# KiCad board 8851_HW-U1-VCU118_REV2-0_071417.kicad_pcb (continued)
## Routing (per net, layer and track width the routed paths; a pad name or vN(x,y) marks a point on that pad's centre or on a via; arc(x,y) is an arc through that point) (continued)
GPIO_SW_W: length 304.5
  TOP w0.15: v6(19.2,127.33) 18.8,127.73 ; 200.62,19.9 v3(200.62,27.15) 200.62,28.85 ; 138.52,63.33 v2(139.01,62.84) 139.52,62.33 147.16,62.33 147.68,62.85 151.2,62.85 151.72,62.33 151.72,58.12 v3(153.91,55.93)
  14_SIG4 w0.087: v6(19.2,127.33) 18.8,126.94 18.8,126.38 18.43,126.01 18.43,125.04 19.7,123.77 19.7,117.38 20.23,116.85 20.23,114.55 24.77,110 24.77,105.38 28.62,101.52 28.62,94.88 29.8,93.7 v3(33.9,93.7)
  20_SIG7 w0.087: v3(153.91,55.93) 154.42,56.45 157.3,56.45 159.15,54.6 169.18,54.6 170.51,53.27 176.34,53.27 179.4,50.21 189.68,50.21 195.97,43.91 195.97,30.93 199.76,27.15 v3(200.62,27.15)
  BOTTOM w0.15: v2(139.01,62.84) 139.62,62.23 139.62,61.58 139.41,61.36 138.82,61.36 138.52,61.06 138.52,60.55 138.35,60.38 137.83,60.38 137.54,60.08 137.54,59.56 137.37,59.39 136.85,59.39 136.6,59.14 136.6,58.75 136.22,58.38 135.83,58.38 135.55,58.09 135.55,57.7 135.3,57.45 134.93,57.45 134.57,57.1 134.57,56.73 134.29,56.44 133.9,56.44 133.6,56.14 133.6,55.75 133.3,55.46 132.91,55.46 132.62,55.16 132.62,54.77 132.32,54.47 129.83,54.47 129.66,54.64 129.66,55.16 129.37,55.46 128.97,55.46 128.67,55.76 128.67,56.15 128.37,56.45 127.98,56.45 127.69,56.74 127.69,57.13 127.39,57.43 127,57.43 126.71,57.72 126.71,58.13 126.42,58.42 126,58.42 125.72,58.69 125.72,59.13 125.46,59.39 117.11,59.39 115.97,60.53 115.97,61.03 115.64,61.36 114.21,61.36 113.91,61.06 113.91,60.66 113.64,60.38 113.23,60.38 112.93,60.08 112.93,59.69 112.63,59.39 112.24,59.39 111.95,59.1 111.95,58.71 111.65,58.41 109.29,58.41 108.99,58.11 108.99,49.84 108.7,49.55 93.04,49.55 92.31,48.83 83.56,48.83 82.05,50.33 82.05,52.01 80.78,53.29 80.78,55.89 77.49,59.17 67.98,59.17 66.16,60.99 66.16,63.73 63.09,66.8 58.75,66.8 57.8,67.75 57.8,72.53 55.91,74.42 55.91,82.14 53.95,84.1 53.95,90.85 51.73,93.08 51.73,94.15 50.59,95.28 35.48,95.28 v3(33.9,93.7) ; 200.62,28.38 v3(200.62,27.15)
IIC_EEPROM_SCL: length 24.2
  TOP w0.138: v3(142.19,121.53) 141.55,120.89 139.58,120.89
  14_SIG4 w0.087: v3(142.19,121.53) 141.65,120.98 140.65,120.98 140.44,120.78 139.79,120.78 139.25,120.25 139.25,120.1 139.25,115.01 140.62,113.65 141.45,113.65 141.8,113.29 143.09,113.29 143.71,112.68 143.71,111.61 143.57,111.47 143.46,111.47 v3(143.23,111.71)
  BOTTOM w0.15: v3(142.19,121.53) 141.65,121.53 141.15,122.03 140.56,122.03 140.15,121.61 ; v3(143.23,111.71) 143.23,111.59 142.16,110.52 141.81,110.52 141.54,110.78 140.78,110.78
IIC_EEPROM_SDA: length 23.8
  TOP w0.138: 139.58,120.25 v3(140.94,120.25)
  14_SIG4 w0.087: v3(140.94,120.25) 140.86,120.32 139.98,120.32 139.72,120.05 139.72,115.25 140.82,114.15 141.42,114.15 141.64,114.36 142.18,114.36 142.75,113.79 143.3,113.79 144.2,112.89 144.2,111.25 143.48,110.52 143.48,110.02 143.15,109.7 142.81,109.7 142.23,110.28 142.23,110.5 142.49,110.77 142.78,110.77 v3(143,110.55)
  BOTTOM w0.15: 140.78,110.14 142.59,110.14 v3(143,110.55) ; v3(140.94,120.25) 139.58,120.25 139.25,120.57 R627.2
IIC_MAIN_SCL: length 223.9
  TOP w0.15: v3(131.35,116.4) 131.99,115.77 133.83,115.77 ; v2(125.23,65.79) 124.74,65.3 ; 21.16,126.94 v6(21.56,126.54)
  07_SIG3 w0.17: v2(125.23,65.79) 124.91,65.47 124.91,65.16 124.52,64.77 122.65,64.77 121.87,65.56 121.87,71 122.04,71.17 122.5,71.17 122.75,71.42 122.75,72.05 122.89,72.19 123.43,72.19 123.73,72.48 123.73,72.77 124.1,73.15 124.39,73.15 124.76,73.52 124.76,73.9 125.03,74.17 125.4,74.17 125.7,74.47 125.7,74.84 126.03,75.18 126.41,75.18 126.73,75.5 126.73,93.15 130,96.43 130,100.41 132.72,103.12 132.72,110.52 131.85,111.39 131.85,113.61 131.85,115.91 v3(131.35,116.4)
  20_SIG7 w0.087: v3(59.82,136.13) 58.92,136.13 58.18,136.87 58.18,138.79 57.04,139.93 50.07,139.93 49.74,139.6 49.55,139.6 48.59,139.6 48.15,140.04 46.86,140.04 45.5,141.4 41.42,141.4 40.5,140.48 40.5,139.6 38.35,137.45 38.35,135.58 36.55,133.78 34.75,133.78 32.89,131.91 24.69,131.91 23.6,130.83 23.6,130.03 22.93,129.36 22.44,129.36 21.72,130.08 19,130.08 18.81,129.89 18.81,128.72 19.01,128.53 21.77,128.53 22.01,128.28 22.01,127 v6(21.56,126.54)
  BOTTOM w0.15: 55.84,139.75 56.67,139.75 58.08,138.35 58.08,137.77 58.77,137.08 58.87,137.08 v3(59.82,136.13) 60.88,135.07 64.06,135.07 69.37,140.39 94.58,140.39 95.1,139.86 95.1,137.55 95.38,137.28 97.4,137.28 97.62,137.5 97.62,139.97 98.04,140.39 100.71,140.39 111.8,129.3 111.8,123.39 114.27,120.92 120.64,120.92 125.78,115.79 126.84,115.79 128.13,117.08 130,117.08 130.88,116.2 131.15,116.2 v3(131.35,116.4)
IIC_MAIN_SDA: length 224.1
  TOP w0.138: 133.83,115.13 v3(132.47,115.13)
  TOP w0.15: 18.8,130.09 v6(19.2,129.69)
  TOP w0.375: 18.01,135.6 v6(18.41,135.99) ; v2(117.36,56.93) 116.87,57.42 U1.AL24 ; v2(124.25,65.79) 123.76,65.3
  07_SIG3 w0.17: v2(124.25,65.79) 124.57,65.79 124.65,65.7 124.65,65.27 124.41,65.03 123.09,65.03 122.81,65.31 122.81,71 123.1,71.29 123.55,71.29 123.77,71.51 123.77,71.93 124.03,72.19 124.56,72.19 124.73,72.36 124.73,72.86 125.02,73.15 125.54,73.15 125.8,73.42 125.8,73.9 126.05,74.15 126.52,74.15 126.69,74.32 126.69,74.82 127.01,75.13 127.37,75.13 127.69,75.46 127.69,88.12 127.3,88.51 127.3,92.95 130.55,96.2 130.55,100.17 133.27,102.89 133.27,110.74 132.39,111.62 132.39,113.38 133.17,114.16 133.17,115.28 132.97,115.48 132.58,115.48 132.47,115.37 v3(132.47,115.13)
  20_SIG7 w0.087: v6(19.2,129.69) 19.59,129.3 21.84,129.3 22.29,128.85 23.07,128.85 24.1,129.88 24.1,130.67 24.83,131.4 26.91,131.4 27,131.31 27,130.91 27.09,130.83 27.44,130.83 27.53,130.91 27.53,131.31 27.61,131.4 27.96,131.4 28.05,131.31 28.05,130.91 28.14,130.83 28.49,130.83 28.58,130.91 28.58,131.31 28.66,131.4 29.01,131.4 29.1,131.31 29.1,130.91 29.19,130.83 29.54,130.83 29.63,130.91 29.63,131.31 29.71,131.4 30.06,131.4 30.15,131.31 30.15,130.91 30.24,130.83 30.59,130.83 30.68,130.91 30.68,131.31 30.76,131.4 31.11,131.4 31.2,131.31 31.2,130.86 31.29,130.78 31.64,130.78 31.73,130.86 31.73,131.31 31.81,131.4 33.03,131.4 34.94,133.31 36.74,133.31 38.83,135.4 38.83,137.27 40.96,139.41 40.96,139.95 41.45,140.43 44.99,140.43 45.17,140.25 45.98,140.25 46.65,139.57 47.96,139.57 48.39,139.14 49.35,139.14 49.93,139.14 50.27,139.47 56.85,139.47 57.72,138.59 57.72,136.25 57.37,135.89 v3(56.53,135.89)
  BOTTOM w0.15: 55.84,139.11 56.66,139.11 57.6,138.18 57.6,137.55 57.52,137.47 57.52,137.08 57,137.08 56.78,136.86 56.78,136.14 v3(56.53,135.89) 56.57,135.86 56.57,135.14 57.01,134.7 64.22,134.7 69.52,140 94.35,140 94.75,139.6 94.75,137.33 95.15,136.93 97.6,136.93 97.97,137.3 97.97,139.83 98.15,140 100.61,140 111.45,129.16 111.45,123.25 114.12,120.58 120.5,120.58 125.64,115.44 126.99,115.44 128.28,116.72 129.8,116.72 130.68,115.85 131.75,115.85 v3(132.47,115.13)
IIC_MUX_RESET_B: length 241.6
  TOP w0.138: 139.58,115.77 141.55,115.77 141.93,116.15 v3(141.93,116.47)
  TOP w0.15: v2(124.25,66.77) 123.76,66.28
  03_SIG1 w0.17: v2(124.25,66.77) 124.25,67.04 124.74,67.53 124.74,70.92 124.73,70.92 124.73,70.94 124.48,71.2 123.99,71.2 123.76,71.44 123.76,71.98 123.55,72.19 123.06,72.19 122.82,72.43 122.82,72.43 122.77,72.48 122.77,74.93 122.99,75.14 123.55,75.14 123.76,75.34 123.76,75.91 123.97,76.13 124.04,76.13 124.05,76.12 124.45,76.12 124.74,76.41 124.74,76.47 124.74,76.82 124.78,76.85 124.78,76.87 125.02,77.11 125.44,77.11 125.73,77.4 125.73,77.81 126.01,78.09 126.01,78.09 126.42,78.09 126.42,78.09 126.48,78.09 126.71,78.32 126.71,79.85 126.92,80.06 127.41,80.06 127.69,80.35 127.69,80.86 127.88,81.05 128.39,81.05 128.41,81.07 128.42,81.07 128.68,81.33 128.68,81.74 128.97,82.03 129.37,82.03 129.66,82.32 129.66,82.73 129.66,82.73 129.66,82.84 129.84,83.01 138.28,83.01 138.52,83.26 138.52,83.3 138.52,83.3 138.52,83.71 138.81,84 139.23,84 140.07,84.85 140.07,95.17 139.72,95.52 139.72,98.7 139.05,99.37 139.05,101.3 138.63,101.72 138.63,104.52 139.15,105.05 139.15,105.56 139.65,106.05 140.14,106.05 140.83,106.74 140.83,110.92 141.68,111.77 142.28,111.77 142.62,112.11 142.62,113.94 142.23,114.33 142.23,114.69 142.59,115.05 142.59,115.81 v3(141.93,116.47)
  14_SIG4 w0.087: v3(48.62,141.05) 48.75,141.05 50.16,142.46 50.16,145.77 51.53,147.15 51.53,160.93 54.5,163.91 54.5,168.21 57.79,171.5 110.18,171.5 114.87,166.81 114.87,157.32 119.76,152.43 127.05,152.43 128.4,151.08 128.4,150.58 131.8,147.17 132.86,147.17 139.78,140.26 139.78,128.95 140.5,128.22 140.5,124 141.18,123.31 141.54,123.31 143.43,121.42 143.43,120.69 142.36,119.62 142.04,119.62 141.66,119.24 141.66,118.83 141.06,118.24 140.68,118.24 140.42,117.97 140.42,116.23 140.73,115.91 141.36,115.91 v3(141.93,116.47)
  BOTTOM w0.15: 50.09,139.75 49.06,139.75 49.05,139.74 48.62,139.74 48.32,140.05 47.62,140.05 47.46,140.22 R72.2 48.19,140.62 v3(48.62,141.05)
INA_PMBUS_ALERT: length 371
  TOP w0.15: v3(143.72,116.61) 143.65,116.54 143.65,115.13 143.71,115.08 143.71,114.33 143.87,114.17 143.87,113.27 142.52,111.93 142.52,110.82 142.25,110.54 140.84,110.54 139.4,111.97 133.22,111.97 132.95,112.25 132.95,112.88 131.53,114.3 131.53,115.15 129.75,116.92 128.12,116.92 127.78,116.58 127.78,108.95 127.37,108.55 123.3,108.55 122.53,109.33 120.97,109.33 119.45,110.85 119.45,122.45 120.3,123.3 124.28,123.3 126.25,125.27 126.25,127.1 126.64,127.49 U37.3 ; 170.59,63.39 170.59,64.15 v3(170.84,64.4) ; v3(220.81,60.35) 221.53,61.07 221.53,61.35 221.79,61.62 221.79,62.25
  03_SIG1 w0.17: v3(220.81,60.35) 220.58,60.12 216.88,60.12 215.44,61.56 212.95,61.56 212.15,62.37 210.35,62.37 209.94,61.96 208.72,61.96 207.49,60.73 207.49,56.77 206.68,55.95 203.55,55.95 203.18,56.33 201.99,56.33 201.37,56.95 195.1,56.95 193.53,58.52 193.53,60.03 193.15,60.42 192.6,60.42 192.24,60.78 192.24,62.29 v3(191.46,63.08) 189.15,63.08 186.98,65.25 181.54,65.25 180.02,63.73 174.69,63.73 172.79,61.83 170.02,61.83 169.74,62.11 169.74,63.29 v3(170.84,64.4)
  05_SIG2 w0.17: v3(170.84,64.4) 170.84,65.53 171.33,66.02 171.55,66.02 177.33,71.8 179.1,71.8 184.7,77.4 184.7,78.99 189.71,84 189.71,115.09 186.9,117.9 185.74,117.9 184.12,119.52 182,119.52 181.57,119.09 181.57,117.87 v3(182.28,117.16) ; v3(143.72,116.61) 143.72,117.5 144.04,117.82 144.04,123.58 147.07,126.62 147.07,128.2 149.52,130.65 149.52,133.12 150.8,134.4 150.8,135.35 150.53,135.62 150.53,139.99 156.48,145.95 164.24,145.95 171.3,153.02 178.15,153.02 185.49,160.36 188.73,160.36 188.9,160.19 188.91,160.19 189.73,159.37 189.73,156.87 189.04,156.18 187.21,156.18 v3(186.51,156.88)
  07_SIG3 w0.17: v3(182.28,117.16) 183.03,117.91 187.16,117.91 187.81,118.57 189.8,118.57 190.69,119.45 197.79,119.45 202.26,123.93 202.26,132.69 203.52,133.94 203.52,136.17 207.18,139.83 207.18,151.45 205.93,152.69 205.93,153.04 205.32,153.65 199.04,153.65 198.68,153.3 196.82,153.3 195.67,154.45 192.1,154.45 187.89,158.66 187.4,158.66 186.51,157.77 v3(186.51,156.88)
  BOTTOM w0.15: 143.72,115.6 v3(143.72,116.61) ; 186.68,155.75 186.68,156.71 v3(186.51,156.88) ; 191.95,64.94 191.95,64.16 191.96,64.16 191.96,63.58 v3(191.46,63.08) ; U35.3 182.64,117.53 v3(182.28,117.16)
INA_PMBUS_SCL: length 326.4
  TOP w0.15: 221.3,62.25 221.3,62.9 221.47,63.08 222.6,63.08 222.78,62.9 222.78,61.08 v3(222.62,60.92) ; 171.58,63.39 171.58,64.34 v3(171.64,64.4) ; U37.5 127.57,126.5 128.24,125.84 128.24,122.5 129.06,121.68 131.07,121.68 v3(131.22,121.53) 131.73,121.53 132.37,120.89 133.83,120.89 134.79,120.89 134.93,121.03 135.12,121.03 135.19,120.96 135.19,117.06 136.03,116.22 137.39,116.22 137.86,115.75 137.86,114.26 138.65,113.48 140.57,113.48 141.11,112.93 142.54,112.93 143.32,113.72 143.32,114.83 142.74,115.42 v3(142.74,116.61)
  03_SIG1 w0.17: v3(222.62,60.92) 222.28,61.27 222.28,61.54 221.22,62.6 221.22,63.65 218.65,66.22 216.93,66.22 216.25,66.9 213.5,66.9 212.63,66.02 200.19,66.02 199.3,66.91 194.93,66.91 193.56,65.53 193.56,64.57 v3(192.94,63.95) 192.69,63.95 192.52,64.12 192.52,64.56 191.79,65.29 189.04,65.29 187.75,66.57 181.15,66.57 179.44,64.86 174.1,64.86 172.88,63.64 171.79,63.64 171.62,63.81 171.62,64.38 v3(171.64,64.4)
  05_SIG2 w0.17: v3(187.67,156.89) 188.47,156.89 189.02,157.44 189.02,159.3 188.5,159.81 185.83,159.81 177.59,151.57 170.86,151.57 164.54,145.25 160.79,145.25 154.07,138.53 154.07,132.63 148.42,126.98 148.42,126.81 147.72,126.12 147.36,126.12 144.73,123.48 144.73,119.41 145.38,118.76 145.38,118.04 146.09,117.33 146.09,116.51 145.53,115.95 143.4,115.95 v3(142.74,116.61) ; v3(182.3,118.84) 182.54,118.6 184.27,118.6 189.1,113.77 189.1,84.33 183.99,79.21 183.99,77.46 179.93,73.4 174.39,73.4 169.16,68.17 169.16,64.2 169.59,63.78 171.02,63.78 v3(171.64,64.4)
  07_SIG3 w0.17: v3(182.3,118.84) 182.47,119.01 183.27,119.81 187.67,119.81 188.67,120.8 197.3,120.8 201.17,124.68 201.17,133.22 202.35,134.4 202.35,136.55 206.01,140.2 206.01,144.88 206.01,144.88 206.01,151.02 205.42,151.61 201.36,151.61 200.28,150.53 199.82,150.53 199.82,150.53 198.02,150.53 195.37,153.18 191.38,153.18 v3(187.67,156.89)
  BOTTOM w0.15: 192.94,64.94 v3(192.94,63.95) ; 142.74,115.6 v3(142.74,116.61) ; v3(131.22,121.53) 133.52,123.82 134.35,123.82 ; v3(182.3,118.84) 182.63,118.51 183.32,118.51 ; 187.67,155.75 v3(187.67,156.89)
INA_PMBUS_SDA: length 332
  TOP w0.138: 133.83,121.53 v3(132.47,121.53)
  TOP w0.15: v3(222,60.3) 222,61.22 222.29,61.51 222.29,62.25 ; v3(142.81,114.47) 142.81,113.72 142.38,113.28 141.26,113.28 140.71,113.83 138.79,113.83 138.21,114.41 138.21,115.89 137.53,116.57 136.17,116.57 135.56,117.19 135.56,121.11 135.29,121.38 134.93,121.38 134.79,121.53 133.83,121.53 ; v3(171.34,62.34) 171.09,62.59 171.09,63.39 ; v3(132.47,121.53) 131.93,122.08 129.16,122.08 128.59,122.65 128.59,126.09 127.68,127 U37.4
  03_SIG1 w0.17: v3(222,60.3) 221.74,60.56 221.74,61.31 220.68,62.38 220.68,63.42 218.43,65.67 216.45,65.67 215.78,66.35 213.72,66.35 212.85,65.48 199.96,65.48 199.08,66.36 195.15,66.36 194.1,65.31 194.1,64.24 v3(192.94,63.08) 192.61,63.41 192.46,63.41 191.97,63.89 191.97,64.3 191.53,64.74 188.81,64.74 187.52,66.03 181.47,66.03 179.75,64.31 174.32,64.31 173.1,63.09 172.09,63.09 v3(171.34,62.34)
  05_SIG2 w0.17: v3(171.34,62.34) 171.45,62.46 171.45,62.95 171.16,63.23 169.36,63.23 168.61,63.98 168.61,68.4 174.17,73.95 179.71,73.95 183.34,77.58 183.34,79.55 188.52,84.72 188.52,113.56 184.03,118.05 182.33,118.05 v3(182.3,118.02) ; v3(187.65,158.07) 187.65,157.76 187.87,157.54 188.22,157.54 188.48,157.8 188.48,159.07 188.28,159.27 186.06,159.27 177.82,151.03 171.08,151.03 164.76,144.71 161.02,144.71 154.62,138.3 154.62,132.41 148.96,126.76 148.96,126.59 147.88,125.5 147.6,125.5 145.27,123.18 145.27,119.66 145.86,119.08 146.3,119.08 146.64,118.73 146.64,116.29 145.75,115.4 143.16,115.4 142.95,115.62 142.66,115.62 142.49,115.45 142.49,114.79 v3(142.81,114.47)
  07_SIG3 w0.17: v3(182.3,118.02) 183.54,119.26 187.9,119.26 188.89,120.26 197.52,120.26 201.72,124.46 201.72,132.94 202.93,134.15 202.93,136.35 206.55,139.98 206.55,144.65 206.56,144.66 206.56,151.25 206.24,151.57 205.64,152.16 201.14,152.16 200.05,151.08 198.25,151.08 195.6,153.73 191.65,153.73 187.92,157.46 187.77,157.46 187.65,157.58 v3(187.65,158.07)
  BOTTOM w0.15: 134.35,122.57 133.52,122.57 v3(132.47,121.53) ; v3(142.81,114.47) 143.23,114.88 143.23,115.6 ; 190.96,64.94 190.96,65.63 190.72,65.87 190.72,66.29 191.02,66.58 191.97,66.58 192.44,66.1 192.44,64.16 192.44,64.16 192.44,63.58 v3(192.94,63.08) ; 186.19,155.75 186.19,155.01 186.38,154.83 187.03,154.83 187.18,154.97 187.18,156.52 187.1,156.6 187.1,157.53 v3(187.65,158.07) ; 183.32,118.02 v3(182.3,118.02)
INPUT_GND: length 760.6
  TOP w0.375: 211.22,129.98 212.11,129.08 ; 211.22,129.98 210.02,129.98 ; 211.22,129.98 212.42,129.98 ; 211.22,129.98 211.22,128.78 ; 211.22,129.98 211.22,131.18 ; 211.22,129.98 212.11,130.88 ; 211.22,129.98 210.32,130.88 ; 211.22,129.98 210.32,129.08 ; C358.2 C549.2 218.12,152.75 218.15,152.78 v3(218.15,152.8) ; 217.22,138.71 v3(217.22,138.7) ; J12.1 218.32,131.18 ; J12.1 216.22,132.23 ; J12.1 216.22,130.13 ; J12.1 218.32,130.13 ; J12.1 218.32,132.23 ; J12.1 216.22,131.18 ; J12.1 217.27,130.13 ; J12.1 217.27,132.23 ; 226.38,133.49 J15.3 ; J15.3 224.7,135.17 ; J15.3 225.14,133.93 ; J15.3 228.05,135.17 ; J15.3 227.61,136.4 ; J15.3 227.61,133.93 ; J15.3 225.14,136.4 ; J15.3 226.38,136.84 ; J15.6 222.2,136.4 ; J15.6 219.73,133.93 ; J15.6 220.96,133.49 ; J15.6 219.73,136.4 ; J15.6 220.96,136.84 ; J15.6 222.64,135.17 ; J15.6 222.2,133.93 ; J15.6 219.29,135.17 ; J15.2 227.61,138.07 ; J15.2 228.05,139.3 ; J15.2 224.7,139.3 ; J15.2 225.14,138.07 ; J15.2 227.61,140.54 ; J15.2 226.38,140.98 ; J15.2 226.38,137.63 ; J15.2 225.14,140.54 ; 221.38,150.17 220.76,150.17 v3(220.27,150.66) ; 221.08,156.59 v3(221.08,157.67) ; 222.63,150.17 v3(222.63,149.4)
  03_SIG1 w0.375: 217.27,130.13 J12.1 ; J12.1 218.32,131.18 ; J12.1 216.47,130.38 ; J12.1 218.06,130.38 ; J12.1 216.47,131.97 ; J12.1 217.27,132.23 ; J12.1 216.22,131.18 ; J12.1 218.06,131.97 ; 225.32,136.22 J15.3 ; J15.3 227.43,134.11 ; J15.3 224.95,135.17 ; J15.3 227.8,135.17 ; J15.3 227.43,136.22 ; J15.3 225.32,134.11 ; J15.3 226.38,133.74 ; J15.3 226.38,136.59 ; 211.22,129.98 212.11,129.08 ; 211.22,129.98 210.32,130.88 ; 211.22,129.98 212.42,129.98 ; 211.22,129.98 211.22,131.18 ; 211.22,129.98 212.11,130.88 ; 211.22,129.98 210.02,129.98 ; 211.22,129.98 211.22,128.78 ; 211.22,129.98 210.32,129.08 ; J15.6 222.02,136.22 ; J15.6 222.39,135.17 ; J15.6 219.54,135.17 ; J15.6 222.02,134.11 ; J15.6 220.96,136.59 ; J15.6 220.96,133.74 ; J15.6 219.9,134.11 ; J15.6 219.9,136.22 ; 234.88,148.93 234.88,150.48 ; 234.88,148.93 236.02,150.08 ; 234.88,148.93 233.73,150.08 ; 234.88,148.93 236.02,147.79 ; 234.88,148.93 233.33,148.93 ; 234.88,148.93 234.88,147.38 ; 234.88,148.93 233.73,147.79 ; J15.2 227.8,139.3 ; J15.2 225.32,138.24 ; J15.2 227.43,138.24 ; J15.2 227.43,140.36 ; J15.2 226.38,137.88 ; J15.2 226.38,140.73 ; J15.2 225.32,140.36 ; J15.2 224.95,139.3 ; 234.88,161.93 236.02,163.08 ; 234.88,161.93 233.33,161.93 ; 234.88,161.93 233.73,163.08 ; 234.88,161.93 234.88,160.38 ; 234.88,161.93 233.73,160.79 ; 234.88,161.93 234.88,163.48 ; 234.88,161.93 236.02,160.79 ; 225.5,150.81 227.05,150.81 ; 225.5,150.81 225.5,152.36 ; 225.5,150.81 225.5,149.26 ; 225.5,150.81 226.65,149.66 ; 225.5,150.81 224.35,151.96 ; 225.5,150.81 226.65,151.96 ; 225.5,150.81 224.35,149.66
  05_SIG2 w0.375: 219.54,135.17 J15.6 ; J15.6 222.02,136.22 ; J15.6 219.9,134.11 ; J15.6 222.02,134.11 ; J15.6 220.96,133.74 ; J15.6 220.96,136.59 ; J15.6 219.9,136.22 ; J15.6 222.39,135.17 ; 234.88,161.93 236.02,163.08 ; 234.88,161.93 233.73,163.08 ; 234.88,161.93 233.33,161.93 ; 234.88,161.93 234.88,160.38 ; 234.88,161.93 233.73,160.79 ; 234.88,161.93 234.88,163.48 ; 234.88,161.93 236.02,160.79 ; 226.38,133.74 J15.3 ; J15.3 225.32,136.22 ; J15.3 227.43,134.11 ; J15.3 224.95,135.17 ; J15.3 225.32,134.11 ; J15.3 226.38,136.59 ; J15.3 227.8,135.17 ; J15.3 227.43,136.22 ; 225.5,150.81 226.65,149.66 ; 225.5,150.81 227.05,150.81 ; 225.5,150.81 224.35,149.66 ; 225.5,150.81 226.65,151.96 ; 225.5,150.81 224.35,151.96 ; 225.5,150.81 225.5,152.36 ; 225.5,150.81 225.5,149.26 ; 210.02,129.98 211.22,129.98 ; 211.22,129.98 210.32,130.88 ; 211.22,129.98 211.22,128.78 ; 211.22,129.98 212.42,129.98 ; 211.22,129.98 212.11,130.88 ; 211.22,129.98 211.22,131.18 ; 211.22,129.98 210.32,129.08 ; 211.22,129.98 212.11,129.08 ; 233.73,147.79 234.88,148.93 ; 234.88,148.93 233.73,150.08 ; 234.88,148.93 236.02,150.08 ; 234.88,148.93 234.88,147.38 ; 234.88,148.93 234.88,150.48 ; 234.88,148.93 233.33,148.93 ; 234.88,148.93 236.02,147.79 ; 216.22,131.18 J12.1 ; J12.1 218.06,130.38 ; J12.1 216.47,130.38 ; J12.1 217.27,132.23 ; J12.1 218.32,131.18 ; J12.1 218.06,131.97 ; J12.1 216.47,131.97 ; J12.1 217.27,130.13 ; 226.38,137.88 J15.2 ; J15.2 227.43,140.36 ; J15.2 225.32,138.24 ; J15.2 225.32,140.36 ; J15.2 226.38,140.73 ; J15.2 227.8,139.3 ; J15.2 224.95,139.3 ; J15.2 227.43,138.24
  07_SIG3 w0.375: 233.33,148.93 234.88,148.93 ; 234.88,148.93 236.02,150.08 ; 234.88,148.93 234.88,150.48 ; 234.88,148.93 234.88,147.38 ; 234.88,148.93 233.73,147.79 ; 234.88,148.93 233.73,150.08 ; 234.88,148.93 236.02,147.79 ; 224.95,139.3 J15.2 ; J15.2 227.43,140.36 ; J15.2 227.43,138.24 ; J15.2 227.8,139.3 ; J15.2 225.32,138.24 ; J15.2 225.32,140.36 ; J15.2 226.38,137.88 ; J15.2 226.38,140.73 ; J12.1 218.06,130.38 ; J12.1 218.32,131.18 ; J12.1 216.22,131.18 ; J12.1 217.27,132.23 ; J12.1 216.47,130.38 ; J12.1 218.06,131.97 ; J12.1 216.47,131.97 ; J12.1 217.27,130.13 ; 225.5,150.81 227.05,150.81 ; 225.5,150.81 224.35,151.96 ; 225.5,150.81 224.35,149.66 ; 225.5,150.81 226.65,151.96 ; 225.5,150.81 225.5,152.36 ; 225.5,150.81 225.5,149.26 ; 225.5,150.81 226.65,149.66 ; 211.22,129.98 211.22,131.18 ; 211.22,129.98 212.11,129.08 ; 211.22,129.98 210.02,129.98 ; 211.22,129.98 212.42,129.98 ; 211.22,129.98 211.22,128.78 ; 211.22,129.98 210.32,129.08 ; 211.22,129.98 212.11,130.88 ; 211.22,129.98 210.32,130.88 ; 219.9,136.22 J15.6 ; J15.6 220.96,136.59 ; J15.6 219.54,135.17 ; J15.6 219.9,134.11 ; J15.6 220.96,133.74 ; J15.6 222.02,134.11 ; J15.6 222.39,135.17 ; J15.6 222.02,136.22 ; 234.88,161.93 236.02,163.08 ; 234.88,161.93 234.88,160.38 ; 234.88,161.93 233.73,160.79 ; 234.88,161.93 233.73,163.08 ; 234.88,161.93 234.88,163.48 ; 234.88,161.93 236.02,160.79 ; 234.88,161.93 233.33,161.93 ; 224.95,135.17 J15.3 ; J15.3 227.43,134.11 ; J15.3 225.32,136.22 ; J15.3 225.32,134.11 ; J15.3 226.38,133.74 ; J15.3 226.38,136.59 ; J15.3 227.8,135.17 ; J15.3 227.43,136.22
  14_SIG4 w0.375: 233.73,147.79 234.88,148.93 ; 234.88,148.93 233.33,148.93 ; 234.88,148.93 233.73,150.08 ; 234.88,148.93 234.88,147.38 ; 234.88,148.93 236.02,150.08 ; 234.88,148.93 236.02,147.79 ; 234.88,148.93 234.88,150.48 ; 233.73,160.79 234.88,161.93 ; 234.88,161.93 236.02,163.08 ; 234.88,161.93 233.33,161.93 ; 234.88,161.93 234.88,163.48 ; 234.88,161.93 233.73,163.08 ; 234.88,161.93 234.88,160.38 ; 234.88,161.93 236.02,160.79 ; 210.32,130.88 211.22,129.98 ; 211.22,129.98 211.22,128.78 ; 211.22,129.98 211.22,131.18 ; 211.22,129.98 212.11,129.08 ; 211.22,129.98 212.11,130.88 ; 211.22,129.98 210.02,129.98 ; 211.22,129.98 210.32,129.08 ; 211.22,129.98 212.42,129.98 ; J12.1 218.06,130.38 ; J12.1 216.47,130.38 ; J12.1 218.06,131.97 ; J12.1 217.27,130.13 ; J12.1 216.22,131.18 ; J12.1 216.47,131.97 ; J12.1 218.32,131.18 ; J12.1 217.27,132.23 ; 220.96,133.74 J15.6 ; J15.6 219.9,136.22 ; J15.6 219.54,135.17 ; J15.6 219.9,134.11 ; J15.6 222.02,136.22 ; J15.6 220.96,136.59 ; J15.6 222.39,135.17 ; J15.6 222.02,134.11 ; 225.5,150.81 227.05,150.81 ; 225.5,150.81 224.35,149.66 ; 225.5,150.81 225.5,152.36 ; 225.5,150.81 226.65,151.96 ; 225.5,150.81 225.5,149.26 ; 225.5,150.81 226.65,149.66 ; 225.5,150.81 224.35,151.96 ; J15.2 226.38,140.73 ; J15.2 227.43,138.24 ; J15.2 227.43,140.36 ; J15.2 225.32,140.36 ; J15.2 227.8,139.3 ; J15.2 224.95,139.3 ; J15.2 226.38,137.88 ; J15.2 225.32,138.24 ; J15.3 227.8,135.17 ; J15.3 224.95,135.17 ; J15.3 226.38,136.59 ; J15.3 225.32,136.22 ; J15.3 226.38,133.74 ; J15.3 227.43,134.11 ; J15.3 227.43,136.22 ; J15.3 225.32,134.11
  16_SIG5 w0.087: 233.9,156.34 233.66,156.1 233.66,155.79 233.45,155.58 ; 235.62,151.06 235.19,151.5 235.19,154.24 235.1,154.33 234.7,154.33 ; 235.95,154.33 235.79,154.33 235.46,154 235.46,151.62 235.74,151.34 ; 236.21,154.8 233.24,154.8 232.96,154.52 232.96,150.39 233.04,150.31 233.19,150.31 233.45,150.58 ; 234.01,156.06 233.93,155.99 233.93,155.55 234.01,155.47 234.59,155.47 234.7,155.58 ; 232.2,150.58 232.6,150.58 232.69,150.66 232.69,154.63 233.13,155.07
  16_SIG5 w0.375: 233.73,147.79 234.88,148.93 ; 234.88,148.93 233.33,148.93 ; 234.88,148.93 234.88,150.48 ; 234.88,148.93 236.02,147.79 ; 234.88,148.93 234.88,147.38 ; 234.88,148.93 236.02,150.08 ; 234.88,148.93 233.73,150.08 ; J15.6 222.02,136.22 ; J15.6 219.9,134.11 ; J15.6 219.54,135.17 ; J15.6 220.96,136.59 ; J15.6 222.02,134.11 ; J15.6 219.9,136.22 ; J15.6 220.96,133.74 ; J15.6 222.39,135.17 ; J15.2 227.8,139.3 ; J15.2 225.32,140.36 ; J15.2 227.43,138.24 ; J15.2 226.38,140.73 ; J15.2 226.38,137.88 ; J15.2 227.43,140.36 ; J15.2 225.32,138.24 ; J15.2 224.95,139.3 ; 210.32,130.88 211.22,129.98 ; 211.22,129.98 210.02,129.98 ; 211.22,129.98 212.11,130.88 ; 211.22,129.98 210.32,129.08 ; 211.22,129.98 212.42,129.98 ; 211.22,129.98 211.22,128.78 ; 211.22,129.98 211.22,131.18 ; 211.22,129.98 212.11,129.08 ; J12.1 218.06,130.38 ; J12.1 218.32,131.18 ; J12.1 216.47,130.38 ; J12.1 217.27,132.23 ; J12.1 217.27,130.13 ; J12.1 216.47,131.97 ; J12.1 218.06,131.97 ; J12.1 216.22,131.18 ; 225.32,136.22 J15.3 ; J15.3 227.43,134.11 ; J15.3 226.38,133.74 ; J15.3 227.43,136.22 ; J15.3 227.8,135.17 ; J15.3 225.32,134.11 ; J15.3 224.95,135.17 ; J15.3 226.38,136.59 ; 224.35,149.66 225.5,150.81 ; 225.5,150.81 227.05,150.81 ; 225.5,150.81 225.5,149.26 ; 225.5,150.81 226.65,149.66 ; 225.5,150.81 225.5,152.36 ; 225.5,150.81 224.35,151.96 ; 225.5,150.81 226.65,151.96 ; 234.88,160.38 234.88,161.93 ; 234.88,161.93 233.33,161.93 ; 234.88,161.93 234.88,163.48 ; 234.88,161.93 233.73,160.79 ; 234.88,161.93 236.02,163.08 ; 234.88,161.93 236.02,160.79 ; 234.88,161.93 233.73,163.08
  18_SIG6 w0.375: 225.32,140.36 J15.2 ; J15.2 224.95,139.3 ; J15.2 227.8,139.3 ; J15.2 226.38,137.88 ; J15.2 226.38,140.73 ; J15.2 225.32,138.24 ; J15.2 227.43,140.36 ; J15.2 227.43,138.24 ; 225.5,149.26 225.5,150.81 ; 225.5,150.81 226.65,151.96 ; 225.5,150.81 224.35,149.66 ; 225.5,150.81 227.05,150.81 ; 225.5,150.81 226.65,149.66 ; 225.5,150.81 224.35,151.96 ; 225.5,150.81 225.5,152.36 ; 225.32,134.11 J15.3 ; J15.3 226.38,133.74 ; J15.3 225.32,136.22 ; J15.3 227.8,135.17 ; J15.3 226.38,136.59 ; J15.3 227.43,134.11 ; J15.3 227.43,136.22 ; J15.3 224.95,135.17 ; 216.22,131.18 J12.1 ; J12.1 216.47,131.97 ; J12.1 217.27,130.13 ; J12.1 216.47,130.38 ; J12.1 218.06,131.97 ; J12.1 218.06,130.38 ; J12.1 217.27,132.23 ; J12.1 218.32,131.18 ; 211.22,129.98 212.11,129.08 ; 211.22,129.98 212.11,130.88 ; 211.22,129.98 211.22,131.18 ; 211.22,129.98 210.32,130.88 ; 211.22,129.98 210.32,129.08 ; 211.22,129.98 210.02,129.98 ; 211.22,129.98 212.42,129.98 ; 211.22,129.98 211.22,128.78 ; 233.33,161.93 234.88,161.93 ; 234.88,161.93 236.02,163.08 ; 234.88,161.93 233.73,163.08 ; 234.88,161.93 234.88,163.48 ; 234.88,161.93 233.73,160.79 ; 234.88,161.93 236.02,160.79 ; 234.88,161.93 234.88,160.38 ; 234.88,148.93 236.02,147.79 ; 234.88,148.93 233.73,147.79 ; 234.88,148.93 234.88,147.38 ; 234.88,148.93 234.88,150.48 ; 234.88,148.93 236.02,150.08 ; 234.88,148.93 233.33,148.93 ; 234.88,148.93 233.73,150.08 ; 219.9,134.11 J15.6 ; J15.6 219.54,135.17 ; J15.6 219.9,136.22 ; J15.6 222.02,134.11 ; J15.6 220.96,136.59 ; J15.6 222.02,136.22 ; J15.6 220.96,133.74 ; J15.6 222.39,135.17
  20_SIG7 w0.375: J15.2 227.43,138.24 ; J15.2 227.8,139.3 ; J15.2 225.32,140.36 ; J15.2 224.95,139.3 ; J15.2 226.38,140.73 ; J15.2 225.32,138.24 ; J15.2 227.43,140.36 ; J15.2 226.38,137.88 ; 219.9,136.22 J15.6 ; J15.6 219.9,134.11 ; J15.6 219.54,135.17 ; J15.6 222.39,135.17 ; J15.6 222.02,136.22 ; J15.6 220.96,136.59 ; J15.6 220.96,133.74 ; J15.6 222.02,134.11 ; 225.5,150.81 227.05,150.81 ; 225.5,150.81 225.5,152.36 ; 225.5,150.81 226.65,151.96 ; 225.5,150.81 225.5,149.26 ; 225.5,150.81 224.35,151.96 ; 225.5,150.81 226.65,149.66 ; 225.5,150.81 224.35,149.66 ; 216.47,130.38 J12.1 ; J12.1 218.06,130.38 ; J12.1 218.32,131.18 ; J12.1 216.22,131.18 ; J12.1 218.06,131.97 ; J12.1 217.27,132.23 ; J12.1 216.47,131.97 ; J12.1 217.27,130.13 ; 211.22,129.98 212.11,129.08 ; 211.22,129.98 210.32,129.08 ; 211.22,129.98 210.32,130.88 ; 211.22,129.98 210.02,129.98 ; 211.22,129.98 212.11,130.88 ; 211.22,129.98 212.42,129.98 ; 211.22,129.98 211.22,128.78 ; 211.22,129.98 211.22,131.18 ; 234.88,148.93 236.02,150.08 ; 234.88,148.93 234.88,147.38 ; 234.88,148.93 233.33,148.93 ; 234.88,148.93 233.73,147.79 ; 234.88,148.93 233.73,150.08 ; 234.88,148.93 236.02,147.79 ; 234.88,148.93 234.88,150.48 ; J15.3 226.38,136.59 ; J15.3 225.32,134.11 ; J15.3 227.43,134.11 ; J15.3 226.38,133.74 ; J15.3 224.95,135.17 ; J15.3 227.8,135.17 ; J15.3 225.32,136.22 ; J15.3 227.43,136.22 ; 233.33,161.93 234.88,161.93 ; 234.88,161.93 236.02,160.79 ; 234.88,161.93 233.73,160.79 ; 234.88,161.93 236.02,163.08 ; 234.88,161.93 234.88,160.38 ; 234.88,161.93 234.88,163.48 ; 234.88,161.93 233.73,163.08
  BOTTOM w0.375: J15.2 227.61,138.07 ; J15.2 226.38,137.63 ; J15.2 224.7,139.3 ; J15.2 225.14,140.54 ; J15.2 227.61,140.54 ; J15.2 228.05,139.3 ; J15.2 225.14,138.07 ; J15.2 226.38,140.98 ; J15.3 226.38,136.84 ; J15.3 224.7,135.17 ; J15.3 228.05,135.17 ; J15.3 225.14,133.93 ; J15.3 225.14,136.4 ; J15.3 226.38,133.49 ; J15.3 227.61,133.93 ; J15.3 227.61,136.4 ; 210.32,129.08 211.22,129.98 ; 211.22,129.98 210.32,130.88 ; 211.22,129.98 211.22,128.78 ; 211.22,129.98 210.02,129.98 ; 211.22,129.98 212.11,130.88 ; 211.22,129.98 212.42,129.98 ; 211.22,129.98 211.22,131.18 ; 211.22,129.98 212.11,129.08 ; J15.6 220.96,136.84 ; J15.6 219.73,133.93 ; J15.6 222.2,136.4 ; J15.6 222.2,133.93 ; J15.6 219.29,135.17 ; J15.6 220.96,133.49 ; J15.6 222.64,135.17 ; J15.6 219.73,136.4 ; v3(220.27,150.66) 218.95,150.66 ; J12.1 218.32,130.13 ; J12.1 217.27,130.13 ; J12.1 216.22,130.13 ; J12.1 217.27,132.23 ; J12.1 218.32,131.18 ; J12.1 216.22,131.18 ; J12.1 218.32,132.23 ; J12.1 216.22,132.23
